# KiCad board FPGA_DevBoard.kicad_pcb (continued)
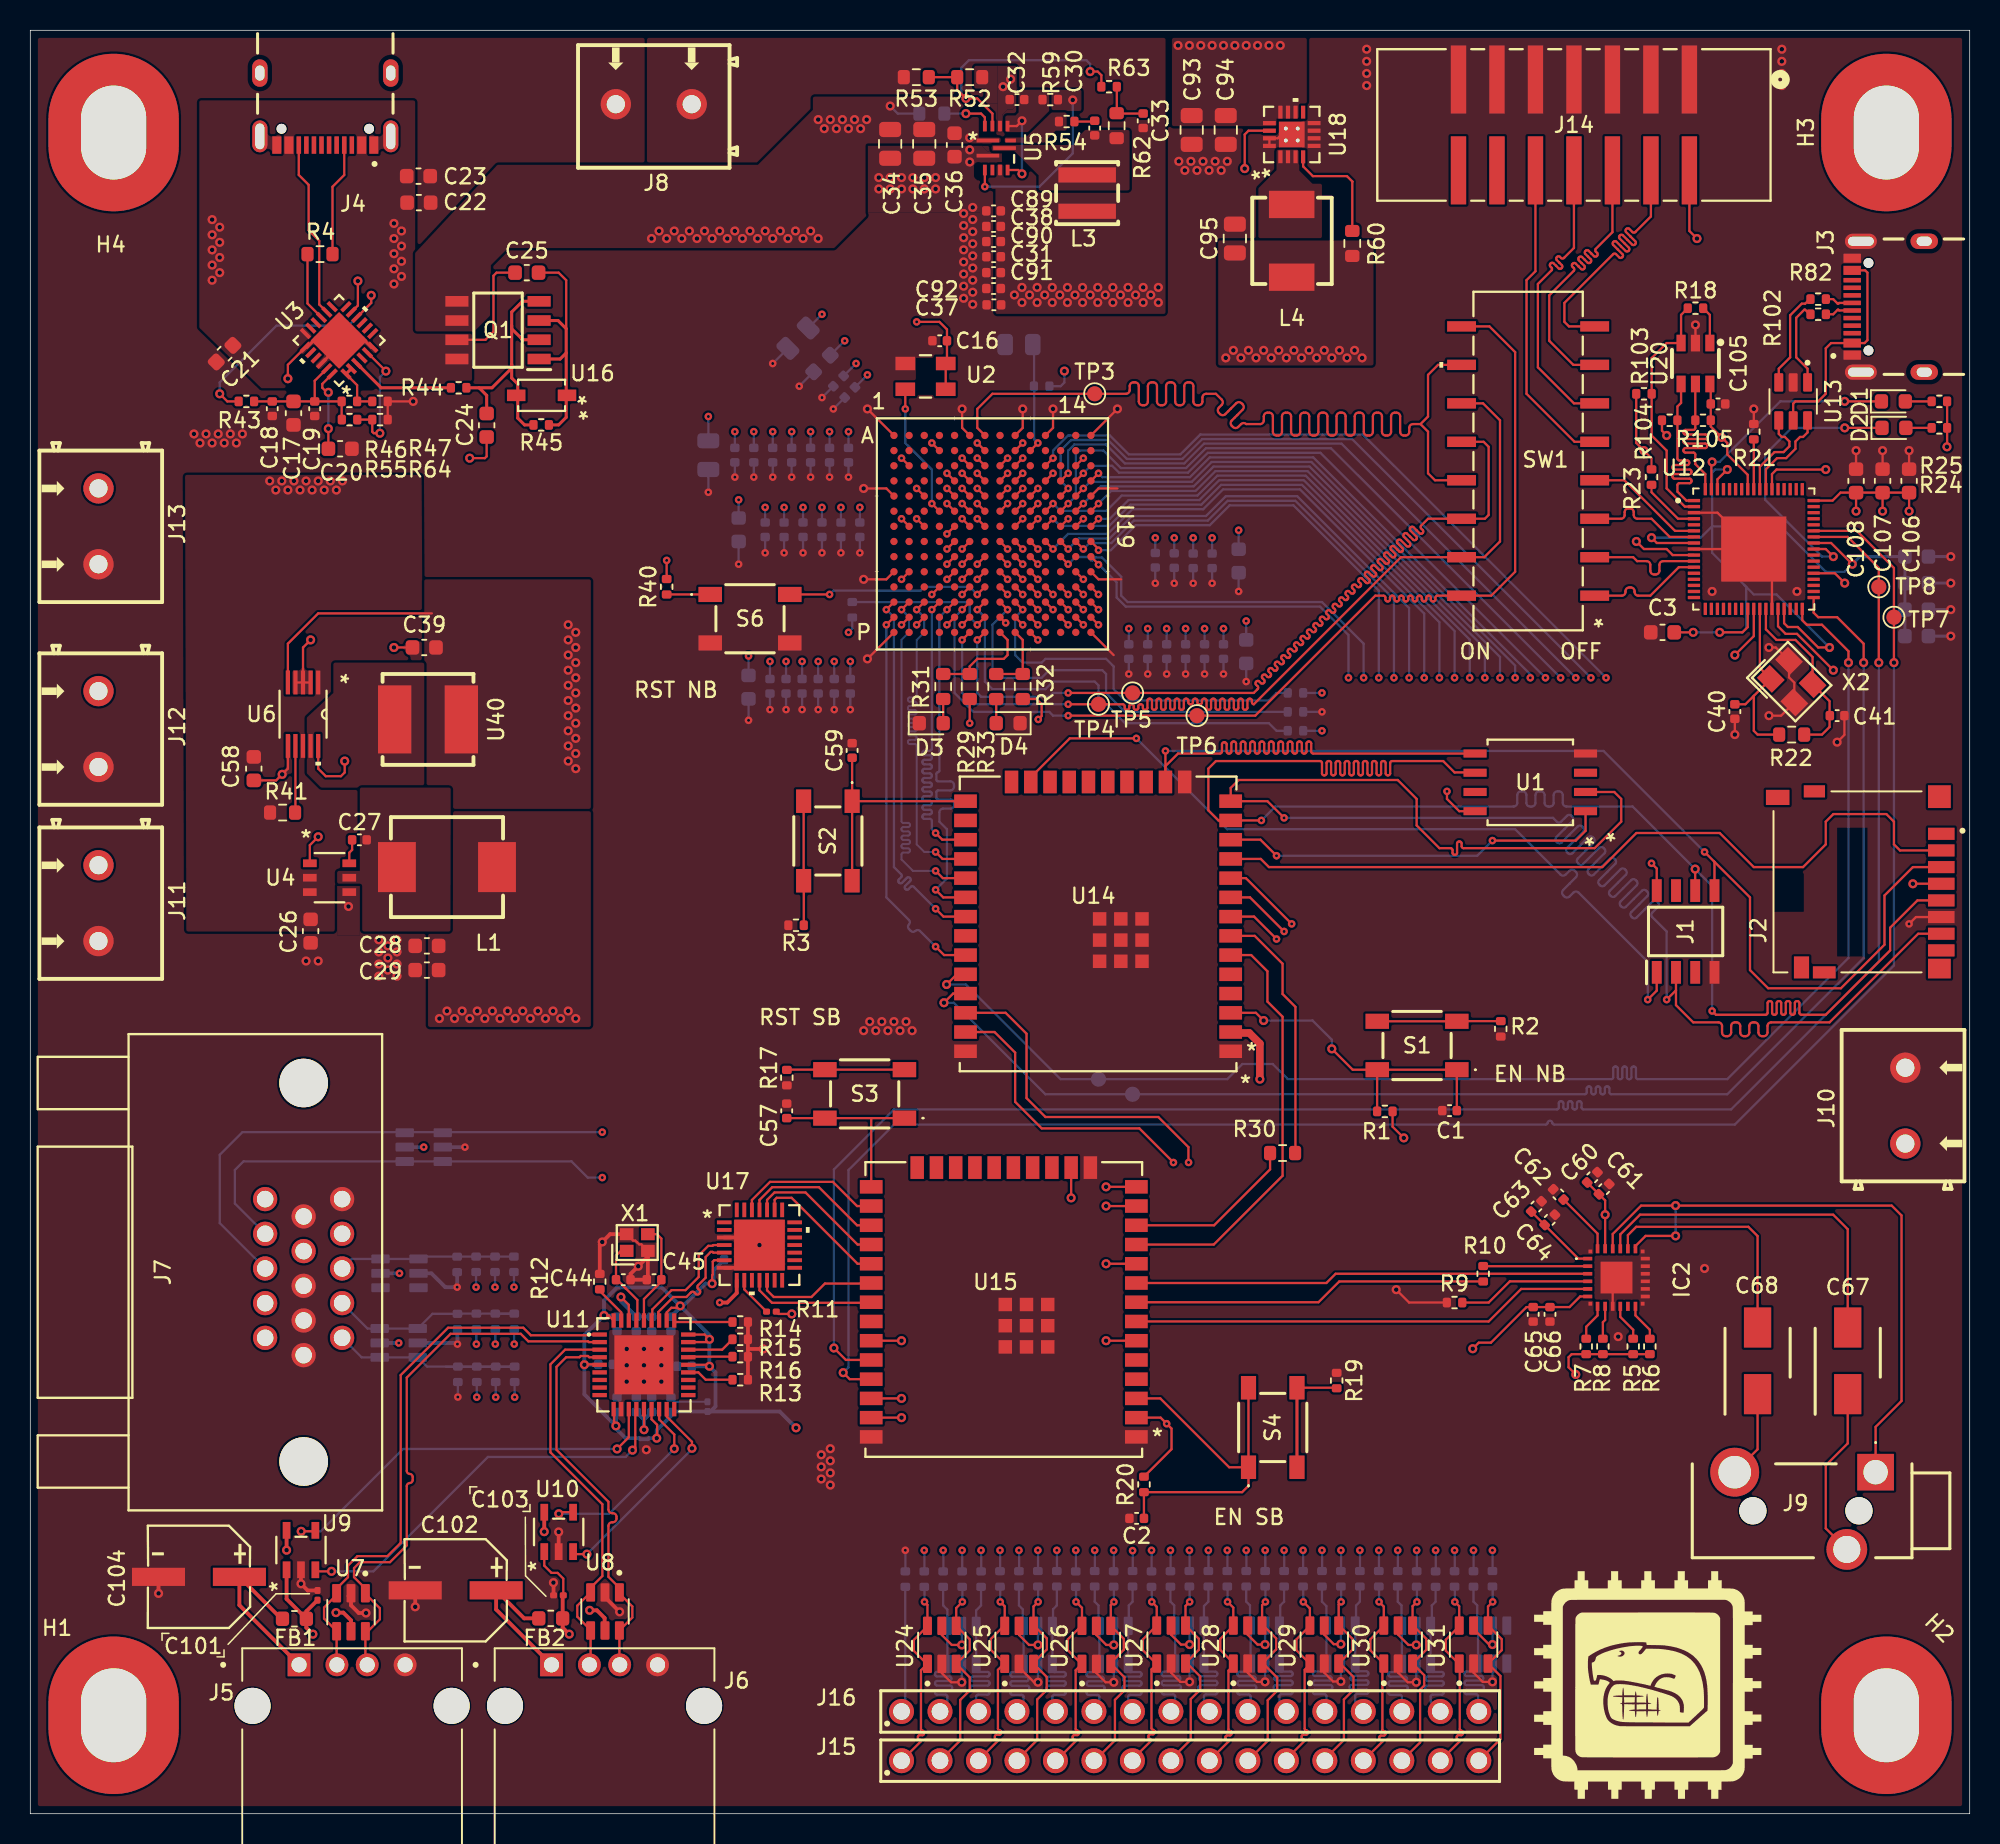
[diagram p0: board, top side]
## Library data of the parts
C1-C66 C69-C101 C103 C105-C112 = -: Description: Unpolarized capacitor; ki_fp_filters: C_*
C67 C68 = -: Datasheet: https://content.kemet.com/datasheets/KEM_A4001_EDK.pdf; Description: EDK, Aluminum, Aluminum Electrolytic, 4.7 uF, 20%, 16 VDC, -40/+85C, 85C, -40C, 85C, 2,000 Hrs, 16 % , 0.02, 3 uA, 2, 4, 4mm, 5.4mm, 2000; Height: 5.65; Mouser Part Number: 80-EDK475M016A9BAA; Mouser Price/Stock: https://www.mouser.co.uk/ProductDetail/KEMET/EDK475M016A9BAA?qs=E9QF1UCAUX56UXN1YiCZhQ%3D%3D; Manufacturer_Name: KEMET
C102 C104 = -: Datasheet: https://item.szlcsc.com/datasheet/RVT0J101M0605/89035.html; Description: Capacitance:100uF Tolerance:±20% Tolerance:±20% Voltage Rating:6.3V Ripple Current:- Equivalent Series Resistance(ESR):- Diameter:6.3mm Height - Seated (Max):5.4mm Lifetime:2000hrs@105°C Operating Temperature:-55°C~+105°C Operating Temperature:-55°C~+105°C; Manufacturer Part: RVT0J101M0605; Manufacturer: HONOR(荣誉); Supplier Part: C87857; Supplier: LCSC; LCSC Part Name: 100uF ±20% 6.3V
D1-D4 = -: Description: Light emitting diode; Sim.Pins: 1=K 2=A; ki_fp_filters: LED* LED_SMD:* LED_THT:*
FB1 FB2 = -: Description: Ferrite bead; ki_fp_filters: Inductor_* L_* *Ferrite*
H1-H4 = -: Description: Mounting Hole without connection; ki_fp_filters: MountingHole*
IC2 = -: Datasheet: https://www.ti.com/lit/ds/symlink/tad5242.pdf?ts=1736249226355&ref_url=https%253A%252F%252Fwww.ti.com%252Fproduct%252FTAD5242; Description: Audio D/A Converter ICs Hardware-control stereo audio DAC with 120dB dynamic range, and headphone and line driver; Height: 1; Mouser Part Number: 595-TAD5242IRGER; Mouser Price/Stock: https://www.mouser.co.uk/ProductDetail/Texas-Instruments/TAD5242IRGER?qs=%252BXxaIXUDbq07iiss%252B1zA7A%3D%3D; Manufacturer_Name: Texas Instruments
J1 = -: Datasheet: https://www.espressif.com/sites/default/files/documentation/esp-psram64_esp-psram64h_datasheet_en.pdf; Description: Adafruit Accessories Generic 64 Mbit Serial Pseudo SRAM - 3.3V 133 MHz; Height: 1.75; Mouser Part Number: 485-4677; Mouser Price/Stock: https://www.mouser.co.uk/ProductDetail/Adafruit/4677?qs=DPoM0jnrROUZDCYEDSsMew%3D%3D; Manufacturer_Name: Adafruit
J2 = -: PARTREV: 2017.1; MANUFACTURER: Hirose; MAXIMUM_PACKAGE_HEIGHT: 1.55mm; STANDARD: Manufacturer Recommendations
J3 J4 = -: PARTREV: B3; MANUFACTURER: Global Connector Technology; MAXIMUM_PACKAGE_HEIGHT: 3.31mm; STANDARD: Manufacturer Recommendations
J5 J6 = -: DigiKey_Part_Number: ED2989-ND; SnapEDA_Link: https://www.snapeda.com/parts/USB-A1HSW6/ON/view-part/?ref=snap; MAXIMUM_PACKAGE_HEIGHT: 7.1 mm; Package: None; Check_prices: https://www.snapeda.com/parts/USB-A1HSW6/ON/view-part/?ref=eda; STANDARD: Manufacturer Recommendations; PARTREV: A; MF: On Shore; Description_1: USB-A (USB TYPE-A) - Receptacle Connector 4 Position Through Hole, Right Angle; MANUFACTURER: On Shore
J7 = -: ki_fp_filters: CONN_L77HDE15SD1CH4F_AMP
J8 J10-J13 = -: Description: Generic screw terminal, single row, 01x02, script generated (kicad-library-utils/schlib/autogen/connector/); ki_fp_filters: TerminalBlock*:*
J9 = -: Datasheet: https://www.sameskydevices.com/product/resource/SJ3-35083A-TR.pdf; Description: SJ3-35083A-TR - 3.5 mm Stereo Jack, Through Hole, 3 Conductors, 0 Internal Switches,  Tape & Reel Packaging; Height: 5.3; Mouser Part Number: 179-SJ3-35083A-TR; Mouser Price/Stock: https://www.mouser.co.uk/ProductDetail/Same-Sky/SJ3-35083A-TR?qs=IKkN%2F947nfAXbylC140wLg%3D%3D; Manufacturer_Name: Same Sky
J14 = -: ki_fp_filters: CONN_AWHW 14G-SMD_ASM
L1 = -: Datasheet: https://item.szlcsc.com/datasheet/CKST0603-4.7uH%252FM/3488143.html; Description: Inductance:4.7uH Tolerance:±20% Tolerance:±20% Current Rating:5A Current - Saturation(Isat):6.5A DC Resistance(DCR):38mΩ Type:Molded Inductor; Manufacturer Part: CKST0603-4.7uH/M; Manufacturer: CENKER(岑科); Supplier Part: C3002636; Supplier: LCSC; LCSC Part Name: 4.7uH ±20% 6.5A
L3 = -: Datasheet: https://item.szlcsc.com/datasheet/MPL-AL4020-R68/8200647.html; Description: Inductance:680nH Current Rating:8.7A Current - Saturation(Isat):11A DC Resistance(DCR):; Manufacturer Part: MPL-AL4020-R68; Manufacturer: MPS(芯源); Supplier Part: C7231875; Supplier: LCSC; LCSC Part Name: 680nH 11A
L4 = -: Datasheet: https://item.szlcsc.com/datasheet/CYA0530-2.2UH/20560604.html; Description: Inductance:2.2uH Tolerance:±20% Tolerance:±20% Current Rating:5.5A DC Resistance(DCR):35mΩ; Manufacturer Part: CYA0530-2.2UH; Manufacturer: SHOU HAN(首韩); Supplier Part: C19274362; Supplier: LCSC; LCSC Part Name: 2.2uH ±20%
Q1 = -: Datasheet: https://www.infineon.com/dgdl/Infineon-IRF9358-DataSheet-v01_01-EN.pdf?fileId=5546d462533600a4015356114ffa1da5; Description: Infineon IRF9358TRPBF Dual P-channel MOSFET, 9.2 A, 30 V HEXFET, 8-Pin SOIC; Height: 1.75; Mouser Part Number: 942-IRF9358TRPBF; Mouser Price/Stock: https://www.mouser.co.uk/ProductDetail/Infineon-Technologies/IRF9358TRPBF?qs=9%252BKlkBgLFf0UOCipcM2zgA%3D%3D; Manufacturer_Name: Infineon
R1-R66 R70-R105 = -: Description: Resistor, US symbol; ki_fp_filters: R_*
S1-S4 S6 = -: Datasheet: https://www.ckswitches.com/media/2567/pts647.pdf; Description: Tactile Switch SPST-NO Top Actuated Surface Mount 0.05A 12V; Manufacturer_Name: C & K COMPONENTS; Manufacturer_Part_Number: PTS647SM38SMTR2 LFS
SW1 = -: ki_fp_filters: SO16_219-8_CTS SO16_219-8_CTS-M SO16_219-8_CTS-L
TP1-TP8 = -: Description: test point (alternative probe-style design); ki_fp_filters: Pin* Test*
U1 = -: ki_fp_filters: SOIC_208MIL_WIN SOIC_208MIL_WIN-M SOIC_208MIL_WIN-L
U2 = -: ki_fp_filters: CHIP_100.000MHZ-LC-T_ABR CHIP_100.000MHZ-LC-T_ABR-M CHIP_100.000MHZ-LC-T_ABR-L
U3 = -: Datasheet: https://www.infineon.com/dgdl/Infineon-EZ-PD_BCR_Datasheet_USB_Type-C_Port_Controller_for_Power_Sinks-DataSheet-v03_00-EN.pdf?fileId=8ac78c8c7d0d8da4017d0ee7ce9d70ad; ki_fp_filters: QFN24_CYPD3177-24LQXQT_INF QFN24_CYPD3177-24LQXQT_INF-M QFN24_CYPD3177-24LQXQT_INF-L
U4 = -: ki_fp_filters: SOIC_05WU-7_DIO SOIC_05WU-7_DIO-M SOIC_05WU-7_DIO-L
U5 = -: Datasheet: https://www.monolithicpower.com/en/documentview/productdocument/index/version/2/document_type/Datasheet/lang/en/sku/MP8756GD-Z; ki_fp_filters: QFN-12_MP8756_MNP
U6 = -: Datasheet: https://www.ti.com/lit/gpn/tps62054; ki_fp_filters: DGS10 DGS10-M DGS10-L
U7 U8 U13 U21-U39 = -: Description: 17V Clamp 5A (8/20µs) Ipp Tvs Diode Surface Mount SOT-23-6; DigiKey_Part_Number: 497-5235-1-ND; MF: STMicroelectronics; PURCHASE-URL: https://pricing.snapeda.com/search/part/USBLC6-2SC6/?ref=eda; PACKAGE: SOT-23-6 STMicroelectronics; PRICE: None; Package: SOT-23-6 STMicroelectronics; Check_prices: https://www.snapeda.com/parts/USBLC6-2SC6/STMicroelectronics/view-part/?ref=eda; SnapEDA_Link: https://www.snapeda.com/parts/USBLC6-2SC6/STMicroelectronics/view-part/?ref=snap; Description_1: 17V Clamp 5A (8/20µs) Ipp Tvs Diode Surface Mount SOT-23-6; AVAILABILITY: In Stock
U9 U10 = -: ki_fp_filters: TSOP-5_ONS TSOP-5_ONS-M TSOP-5_ONS-L
U11 = -: Datasheet: https://atta.szlcsc.com/upload/public/pdf/source/20180613/C220679_5406C825D415F058D3466663F78F68E9.pdf; Description: type:Hub Protocol:USB 2.0 Supply Voltage:3.3V Supply Voltage:3.3V Operating Temperature:0°C~+85°C Operating Temperature:0°C~+85°C; Manufacturer Part: USB2513B/M2; Manufacturer: MICROCHIP(美国微芯); Supplier Part: C633337; Supplier: LCSC; LCSC Part Name: USB2513B/M2
U12 = -: MAXIMUM_PACKAGE_HEIGHT: 0.90mm; CREATOR: AAMIR; STANDARD: IPC-7351B; PARTREV: 1.8; VERIFIER: NEZY; MANUFACTURER: FTDI
U14 U15 = -: ki_fp_filters: ESP32-WROOM-32UE_EXP
U16 = -: ki_fp_filters: SOD-123_ONS SOD-123_ONS-M SOD-123_ONS-L
U17 = -: ki_fp_filters: QFN28_5X5_SIL QFN28_5X5_SIL-M QFN28_5X5_SIL-L
U18 = -: Datasheet: https://www.ti.com/lit/gpn/tps62132; ki_fp_filters: RGT16_1P7X1P7
U19 = -: ki_fp_filters: FTGB196_XIL FTGB196_XIL-M FTGB196_XIL-L
U20 = -: Datasheet: https://atta.szlcsc.com/upload/public/pdf/source/20140724/1457707164359.pdf; Description: Interface Type:SPI Memory Size:2Kbit Supply Voltage:2.5V~5.5V Supply Voltage:2.5V~5.5V Write Cycle Time (Tw):6ms Data Retention - TDR (Year):200 years Write Cycle Endurance:1,000,000 Times Operating Temperature:-40°C~+85°C Operating Temperature:-40°C~+85°C; Manufacturer Part: 93LC56BT-I/OT; Manufacturer: MICROCHIP(美国微芯); Supplier Part: C190271; Supplier: LCSC; LCSC Part Name: 93LC56BT-I/OT
U40 = -: Datasheet: https://atta.szlcsc.com/upload/public/pdf/source/20240315/33573055495CB3FBA2E21081FDB8F338.pdf; Description: Inductance: Tolerance:- Tolerance:- Rated Current: Saturation Current (Isat):3.4A DC Resistance (DCR): Ratings:-; Manufacturer Part: MPL-SE6040-100; Manufacturer: MPS(芯源); Supplier Part: C17367499; Supplier: LCSC; LCSC Part Name: 10uH 3.4A
X1 = -: Datasheet: https://item.szlcsc.com/datasheet/XL7EL89CMI-111YLC-24M/3357717.html; Description: Type:Crystal Oscillator Frequency:24MHz Normal temperature Frequency Tolerance:±10ppm Normal temperature Frequency Tolerance:±10ppm Load Capacitance:10pF Frequency Stability:±20ppm Frequency Stability:±20ppm Equivalent Series Resistance(ESR):- Operating T; Manufacturer Part: XL7EL89CMI-111YLC-24M; Manufacturer: YXC(扬兴晶振); Supplier Part: C2965581; Supplier: LCSC; LCSC Part Name: YSX211SL 24MHZ 10PF ±10PPM -40~85°C
X2 = -: Datasheet: https://item.szlcsc.com/datasheet/X322512MMB4SI/51439.html; Description: Type:Crystal Oscillator Frequency:12MHz Normal temperature Frequency Tolerance:±10ppm Normal temperature Frequency Tolerance:±10ppm Load Capacitance:10pF Frequency Stability:±20ppm Frequency Stability:±20ppm Operating Temperature:-40°C~+85°C Operating Tempe; Manufacturer Part: X322512MMB4SI; Manufacturer: YXC(扬兴晶振); Supplier Part: C50430; Supplier: LCSC; LCSC Part Name: YSX321SL 12MHZ 4P 3225 10PF ±10PPM -40~85°C (±20PPM)

## Footprints (pads in the part's own frame, mm; a bottom-side part is the same pattern mirrored in y, then rotated)
219-8M
  rect 1.905x0.686 smd: 1(-4.394,8.89) 2(-4.394,6.35) 3(-4.394,3.81) 4(-4.394,1.27) 5(-4.394,-1.27) 6(-4.394,-3.81) 7(-4.394,-6.35) 8(-4.394,-8.89) 9(4.394,-8.89) 10(4.394,-6.35) 11(4.394,-3.81) 12(4.394,-1.27) 13(4.394,1.27) 14(4.394,3.81) 15(4.394,6.35) 16(4.394,8.89)
256_W25Q128JV
  rect 1.524x0.533 smd: 1(-3.645,1.905) 2(-3.645,0.635) 3(-3.645,-0.635) 4(-3.645,-1.905) 5(3.645,-1.905) 6(3.645,-0.635) 7(3.645,0.635) 8(3.645,1.905)
4677
  rect 1.5x0.65 smd: 1(-2.7,1.905) 2(-2.7,0.635) 3(-2.7,-0.635) 4(-2.7,-1.905) 5(2.7,-1.905) 6(2.7,-0.635) 7(2.7,0.635) 8(2.7,1.905)
61301611121
  round 1.65 hole 1.1: 1(-19.05,0) 2(-16.51,0) 3(-13.97,0) 4(-11.43,0) 5(-8.89,0) 6(-6.35,0) 7(-3.81,0) 8(-1.27,0) 9(1.27,0) 10(3.81,0) 11(6.35,0) 12(8.89,0) 13(11.43,0) 14(13.97,0) 15(16.51,0) 16(19.05,0)
AP63205WU-7
  rect 1.575x0.279 smd: 1(-2.095,1) 2(-2.095,0.5) 3(-2.095,0) 4(-2.095,-0.5) 5(-2.095,-1) 6(2.095,-1) 7(2.095,-0.5) 8(2.095,0) 9(2.095,0.5) 10(2.095,1)
C_0201_0603Metric
  rrect 0.318x0.36 smd: (-0.345,0) (0.345,0)
  rrect 0.46x0.4 smd: 1(-0.32,0) 2(0.32,0)
C_0402_1005Metric
  rrect 0.56x0.62 smd: 1(-0.48,0) 2(0.48,0)
C_0603_1608Metric
  rrect 0.9x0.95 smd: 1(-0.775,0) 2(0.775,0)
C_0805_2012Metric
  rrect 1x1.45 smd: 1(-0.95,0) 2(0.95,0)
CAP-SMD_BD6.3-L6.6-W6.6-FD
  rect 3.5x1.2 smd: 1(-2.67,0) 2(2.67,0)
CAPAE430X565N
  rect 2.65x1.8 smd: 1(-2.2,0) 2(2.2,0)
CHIP_100.000MHZ-LC-T_ABR
  rect 1.295x0.889 smd: 1(-1.333,-0.85) 2(1.333,-0.85) 3(1.333,0.85) 4(-1.333,0.85)
CONN-TH_2P-P5.00_CPC3703CTR
  round 2 hole 1.2: 1(-2.505,0) 2(2.505,0)
CONN_AWHW 14G-SMD_ASM
  rect 1.016x4.496 smd: 1(-7.62,-3) 2(-7.62,3) 3(-5.08,-3) 4(-5.08,3) 5(-2.54,-3) 6(-2.54,3) 7(0,-3) 8(0,3) 9(2.54,-3) 10(2.54,3) 11(5.08,-3) 12(5.08,3) 13(7.62,-3) 14(7.62,3)
CONN_L77HDE15SD1CH4F_AMP
  round 1.6 hole 1.092: 1(-4.33,-13.97) 2(-2.04,-13.97) 3(0.25,-13.97) 4(2.54,-13.97) 5(4.83,-13.97) 6(-5.475,-11.43) 7(-3.185,-11.43) 8(-0.895,-11.43) 9(1.395,-11.43) 10(3.685,-11.43) 11(-4.33,-8.89) 12(-2.04,-8.89) 13(0.25,-8.89) 14(2.54,-8.89) 15(4.83,-8.89)
  round 3.2 hole 3.2: None(-12.495,-11.43) None(12.495,-11.43)
CP2102_GMR_SIL
  rect 0.965x0.254 smd: 1(-2.324,1.5) 2(-2.324,1) 3(-2.324,0.5) 4(-2.324,0) 5(-2.324,-0.5) 6(-2.324,-1) 7(-2.324,-1.5) 15(2.324,-1.5) 16(2.324,-1) 17(2.324,-0.5) 18(2.324,0) 19(2.324,0.5) 20(2.324,1) 21(2.324,1.5)
  rect 0.254x0.965 smd: 8(-1.5,-2.324) 9(-1,-2.324) 10(-0.5,-2.324) 11(0,-2.324) 12(0.5,-2.324) 13(1,-2.324) 14(1.5,-2.324) 22(1.5,2.324) 23(1,2.324) 24(0.5,2.324) 25(0,2.324) 26(-0.5,2.324) 27(-1,2.324) 28(-1.5,2.324)
  rect 3.353x3.353 smd: 29(0,0)
CRYSTAL-SMD_4P-L2.0-W1.6-BL
  rect 0.9x0.8 smd: 1(-0.7,-0.55) 2(0.7,-0.55) 3(0.7,0.55) 4(-0.7,0.55)
CRYSTAL-SMD_4P-L3.2-W2.5-BL
  rect 1.4x1.2 smd: 1(-1.1,-0.85) 2(1.1,-0.85) 3(1.1,0.85) 4(-1.1,0.85)
CYPD3177-24LQXQT_INF
  rect 0.813x0.254 smd: 1(-1.892,1.25) 2(-1.892,0.75) 3(-1.892,0.25) 4(-1.892,-0.25) 5(-1.892,-0.75) 6(-1.892,-1.25) 13(1.892,-1.25) 14(1.892,-0.75) 15(1.892,-0.25) 16(1.892,0.25) 17(1.892,0.75) 18(1.892,1.25)
  rect 0.254x0.813 smd: 7(-1.25,-1.892) 8(-0.75,-1.892) 9(-0.25,-1.892) 10(0.25,-1.892) 11(0.75,-1.892) 12(1.25,-1.892) 19(1.25,1.892) 20(0.75,1.892) 21(0.25,1.892) 22(-0.25,1.892) 23(-0.75,1.892) 24(-1.25,1.892)
  rect 2.642x2.642 smd: 25(0,0)
D_0603_1608Metric
  rrect 0.875x0.95 smd: 1(-0.787,0) 2(0.787,0)
DM3D-SF
  rect 0.8x1.75 smd: 1(3.2,0) 2(2.1,0) 3(1,0) 4(-0.1,0) 5(-1.2,0) 6(-2.3,0) 7(-3.4,0) 8(-4.5,0)
  rect 1.3x1.5 smd: S1(-5.7,0.125)
  rect 1.5x1.5 smd: S2(5.65,0.125)
  rect 0.8x1.5 smd: S3(-5.95,7.725)
  rect 0.8x1.4 smd: S4(6,8.375)
  rect 1x1.55 smd: SW-A(5.6,10.8)
  rect 1.45x1 smd: SW-B(-5.625,9.225)
ESP32-WROOM-32UE_EXP
  rect 1.499x0.889 smd: 1(-8.75,8.41) 2(-8.75,7.14) 3(-8.75,5.87) 4(-8.75,4.6) 5(-8.75,3.33) 6(-8.75,2.06) 7(-8.75,0.79) 8(-8.75,-0.48) 9(-8.75,-1.75) 10(-8.75,-3.02) 11(-8.75,-4.29) 12(-8.75,-5.56) 13(-8.75,-6.83) 14(-8.75,-8.1) 25(8.75,-8.1) 26(8.75,-6.83) 27(8.75,-5.56) 28(8.75,-4.29) 29(8.75,-3.02) 30(8.75,-1.75) 31(8.75,-0.48) 32(8.75,0.79) 33(8.75,2.06) 34(8.75,3.33) 35(8.75,4.6) 36(8.75,5.87) 37(8.75,7.14) 38(8.75,8.41)
  rect 0.889x1.499 smd: 15(-5.715,-9.37) 16(-4.445,-9.37) 17(-3.175,-9.37) 18(-1.905,-9.37) 19(-0.635,-9.37) 20(0.635,-9.37) 21(1.905,-9.37) 22(3.175,-9.37) 23(4.445,-9.37) 24(5.715,-9.37)
  rect 0.889x0.889 smd: 39(-1.5,1.07) 40(-2.9,2.47) 41(-2.9,1.07) 42(-2.9,-0.33) 43(-1.5,-0.33) 44(-0.1,-0.33) 45(-0.1,1.07) 46(-0.1,2.47) 47(-1.5,2.47)
FT4232HPQ
  rrect 0.81x0.22 smd: 1(-3.95,3.2) 2(-3.95,2.8) 3(-3.95,2.4) 4(-3.95,2) 5(-3.95,1.6) 6(-3.95,1.2) 7(-3.95,0.8) 8(-3.95,0.4) 9(-3.95,0) 10(-3.95,-0.4) 11(-3.95,-0.8) 12(-3.95,-1.2) 13(-3.95,-1.6) 14(-3.95,-2) 15(-3.95,-2.4) 16(-3.95,-2.8) 17(-3.95,-3.2) 35(3.95,-3.2) 36(3.95,-2.8) 37(3.95,-2.4) 38(3.95,-2) 39(3.95,-1.6) 40(3.95,-1.2) 41(3.95,-0.8) 42(3.95,-0.4) 43(3.95,0) 44(3.95,0.4) 45(3.95,0.8) 46(3.95,1.2) 47(3.95,1.6) 48(3.95,2) 49(3.95,2.4) 50(3.95,2.8) 51(3.95,3.2)
  rrect 0.22x0.81 smd: 18(-3.2,-3.95) 19(-2.8,-3.95) 20(-2.4,-3.95) 21(-2,-3.95) 22(-1.6,-3.95) 23(-1.2,-3.95) 24(-0.8,-3.95) 25(-0.4,-3.95) 26(0,-3.95) 27(0.4,-3.95) 28(0.8,-3.95) 29(1.2,-3.95) 30(1.6,-3.95) 31(2,-3.95) 32(2.4,-3.95) 33(2.8,-3.95) 34(3.2,-3.95) 52(3.2,3.95) 53(2.8,3.95) 54(2.4,3.95) 55(2,3.95) 56(1.6,3.95) 57(1.2,3.95) 58(0.8,3.95) 59(0.4,3.95) 60(0,3.95) 61(-0.4,3.95) 62(-0.8,3.95) 63(-1.2,3.95) 64(-1.6,3.95) 65(-2,3.95) 66(-2.4,3.95) 67(-2.8,3.95) 68(-3.2,3.95)
  rect 4.3x4.3 smd: 69(0,0)
FTGB196_XIL
  round 0.483 smd: A1(-6.5,6.5) A2(-5.5,6.5) A3(-4.5,6.5) A4(-3.5,6.5) A5(-2.5,6.5) A6(-1.5,6.5) A7(-0.5,6.5) A8(0.5,6.5) A9(1.5,6.5) A10(2.5,6.5) A11(3.5,6.5) A12(4.5,6.5) A13(5.5,6.5) A14(6.5,6.5) B1(-6.5,5.5) B2(-5.5,5.5) B3(-4.5,5.5) B4(-3.5,5.5) B5(-2.5,5.5) B6(-1.5,5.5) B7(-0.5,5.5) B8(0.5,5.5) B9(1.5,5.5) B10(2.5,5.5) B11(3.5,5.5) B12(4.5,5.5) B13(5.5,5.5) B14(6.5,5.5) C1(-6.5,4.5) C2(-5.5,4.5) C3(-4.5,4.5) C4(-3.5,4.5) C5(-2.5,4.5) C6(-1.5,4.5) C7(-0.5,4.5) C8(0.5,4.5) C9(1.5,4.5) C10(2.5,4.5) C11(3.5,4.5) C12(4.5,4.5) C13(5.5,4.5) C14(6.5,4.5) D1(-6.5,3.5) D2(-5.5,3.5) D3(-4.5,3.5) D4(-3.5,3.5) D5(-2.5,3.5) D6(-1.5,3.5) D7(-0.5,3.5) D8(0.5,3.5) D9(1.5,3.5) D10(2.5,3.5) D11(3.5,3.5) D12(4.5,3.5) D13(5.5,3.5) D14(6.5,3.5) E1(-6.5,2.5) E2(-5.5,2.5) E3(-4.5,2.5) E4(-3.5,2.5) E5(-2.5,2.5) E6(-1.5,2.5) E7(-0.5,2.5) E8(0.5,2.5) E9(1.5,2.5) E10(2.5,2.5) E11(3.5,2.5) E12(4.5,2.5) E13(5.5,2.5) E14(6.5,2.5) F1(-6.5,1.5) F2(-5.5,1.5) F3(-4.5,1.5) F4(-3.5,1.5) F5(-2.5,1.5) F6(-1.5,1.5) F7(-0.5,1.5) F8(0.5,1.5) F9(1.5,1.5) F10(2.5,1.5) F11(3.5,1.5) F12(4.5,1.5) F13(5.5,1.5) F14(6.5,1.5) G1(-6.5,0.5) G2(-5.5,0.5) G3(-4.5,0.5) G4(-3.5,0.5) G5(-2.5,0.5) G6(-1.5,0.5) G7(-0.5,0.5) G8(0.5,0.5) G9(1.5,0.5) G10(2.5,0.5) G11(3.5,0.5) G12(4.5,0.5) G13(5.5,0.5) G14(6.5,0.5) H1(-6.5,-0.5) H2(-5.5,-0.5) H3(-4.5,-0.5) H4(-3.5,-0.5) H5(-2.5,-0.5) H6(-1.5,-0.5) H7(-0.5,-0.5) H8(0.5,-0.5) H9(1.5,-0.5) H10(2.5,-0.5) H11(3.5,-0.5) H12(4.5,-0.5) H13(5.5,-0.5) H14(6.5,-0.5) J1(-6.5,-1.5) J2(-5.5,-1.5) J3(-4.5,-1.5) J4(-3.5,-1.5) J5(-2.5,-1.5) J6(-1.5,-1.5) J7(-0.5,-1.5) J8(0.5,-1.5) J9(1.5,-1.5) J10(2.5,-1.5) J11(3.5,-1.5) J12(4.5,-1.5) J13(5.5,-1.5) J14(6.5,-1.5) K1(-6.5,-2.5) K2(-5.5,-2.5) K3(-4.5,-2.5) K4(-3.5,-2.5) K5(-2.5,-2.5) K6(-1.5,-2.5) K7(-0.5,-2.5) K8(0.5,-2.5) K9(1.5,-2.5) K10(2.5,-2.5) K11(3.5,-2.5) K12(4.5,-2.5) K13(5.5,-2.5) K14(6.5,-2.5) L1(-6.5,-3.5) L2(-5.5,-3.5) L3(-4.5,-3.5) L4(-3.5,-3.5) L5(-2.5,-3.5) L6(-1.5,-3.5) L7(-0.5,-3.5) L8(0.5,-3.5) L9(1.5,-3.5) L10(2.5,-3.5) L11(3.5,-3.5) L12(4.5,-3.5) L13(5.5,-3.5) L14(6.5,-3.5) M1(-6.5,-4.5) M2(-5.5,-4.5) M3(-4.5,-4.5) M4(-3.5,-4.5) M5(-2.5,-4.5) M6(-1.5,-4.5) M7(-0.5,-4.5) M8(0.5,-4.5) M9(1.5,-4.5) M10(2.5,-4.5) M11(3.5,-4.5) M12(4.5,-4.5) M13(5.5,-4.5) M14(6.5,-4.5) N1(-6.5,-5.5) N2(-5.5,-5.5) N3(-4.5,-5.5) N4(-3.5,-5.5) N5(-2.5,-5.5) N6(-1.5,-5.5) N7(-0.5,-5.5) N8(0.5,-5.5) N9(1.5,-5.5) N10(2.5,-5.5) N11(3.5,-5.5) N12(4.5,-5.5) N13(5.5,-5.5) N14(6.5,-5.5) P1(-6.5,-6.5) P2(-5.5,-6.5) P3(-4.5,-6.5) P4(-3.5,-6.5) P5(-2.5,-6.5) P6(-1.5,-6.5) P7(-0.5,-6.5) P8(0.5,-6.5) P9(1.5,-6.5) P10(2.5,-6.5) P11(3.5,-6.5) P12(4.5,-6.5) P13(5.5,-6.5) P14(6.5,-6.5)
IND-SMD_L5.7-W5.2_CYA0530
  rect 1.8x3 smd: 1(-2.4,0) 2(2.4,0)
IND-SMD_L6.0-W6.0_MPL-SE6040
  rect 2.2x4.5 smd: 1(-2.2,0) 2(2.2,0)
IND-SMD_L7.4-W6.6
  rect 2.5x3.3 smd: 1(-3.302,0) 2(3.302,0)
IND-SMD_MPL-AL4020-R68
  rect 1x3.8 smd: 1(-1.2,0) 2(1.2,0)
IRF9358TRPBF
  rect 1.525x0.7 smd: 1(-2.712,1.905) 2(-2.712,0.635) 3(-2.712,-0.635) 4(-2.712,-1.905) 5(2.712,-1.905) 6(2.712,-0.635) 7(2.712,0.635) 8(2.712,1.905)
L_0603_1608Metric
  rrect 0.875x0.95 smd: 1(-0.787,0) 2(0.787,0)
LED_0603_1608Metric
  rrect 0.875x0.95 smd: 1(-0.788,0) 2(0.788,0)
MMSZ10T1G
  rect 1.219x0.762 smd: 1(-1.676,0) 2(1.676,0)
MountingHole_4.3x6.2mm_M4_Pad
  oval 10.4x8.6 hole 6.2x4.3: 1(0,0)
MP8756
  rect 1.5x0.25 smd: 1(-0.55,0.5) 2(-0.55,-0.5) 7(0.55,0)
  rect 0.25x0.7 smd: 3(-0.75,-1.45) 4(-0.25,-1.45) 5(0.25,-1.45) 6(0.75,-1.45) 9(0.75,1.45) 10(0.25,1.45) 11(-0.25,1.45) 12(-0.75,1.45)
  rect 0.7x0.25 smd: 8(0.95,0.5)
OST_USB-A1HSW6
  round 2.38 hole 2.38 unplated: (-6.57,0) (6.57,0)
  rect 1.508x1.508 hole 1: 1(-3.5,2.71)
  round 1.508 hole 1: 2(-1,2.71) 3(1,2.71) 4(3.5,2.71)
PTS647SM38SMTR2LFS
  rect 1.55x1 smd: 1(-2.625,1.6) 2(2.625,1.6) 3(-2.625,-1.6) 4(2.625,-1.6)
R_0201_0603Metric
  rrect 0.318x0.36 smd: (-0.345,0) (0.345,0)
  rrect 0.46x0.4 smd: 1(-0.32,0) 2(0.32,0)
R_0402_1005Metric
  rrect 0.54x0.64 smd: 1(-0.51,0) 2(0.51,0)
R_0603_1608Metric
  rrect 0.8x0.95 smd: 1(-0.825,0) 2(0.825,0)
R_0805_2012Metric
  rrect 1.025x1.4 smd: 1(-0.912,0) 2(0.912,0)
SJ335083ATR
  round 1.8 hole 1.8 unplated: (1.1,2.55) (8.1,2.55)
  rect 2.415x2.415 hole 1.61: 1(0,0)
  round 3.225 hole 2.15: 2(9.3,0)
  round 2.685 hole 1.79: 5(1.9,5.1)
SOT95P280X145-6N
  rrect 1.21x0.59 smd: 1(-1.255,0.95) 2(-1.255,0) 3(-1.255,-0.95) 4(1.255,-0.95) 5(1.255,0) 6(1.255,0.95)
SOT-23-6_L2.9-W1.6-P0.95-LS2.8-BR
  rect 1.1x0.6 smd: 1(1.35,-0.95) 2(1.35,0) 3(1.35,0.95) 4(-1.35,0.95) 5(-1.35,0) 6(-1.35,-0.95)
TAD5242IRGER
  rect 0.6x0.24 smd: 1(-1.9,1.25) 2(-1.9,0.75) 3(-1.9,0.25) 4(-1.9,-0.25) 5(-1.9,-0.75) 6(-1.9,-1.25) 13(1.9,-1.25) 14(1.9,-0.75) 15(1.9,-0.25) 16(1.9,0.25) 17(1.9,0.75) 18(1.9,1.25)
  rect 0.24x0.6 smd: 7(-1.25,-1.9) 8(-0.75,-1.9) 9(-0.25,-1.9) 10(0.25,-1.9) 11(0.75,-1.9) 12(1.25,-1.9) 19(1.25,1.9) 20(0.75,1.9) 21(0.25,1.9) 22(-0.25,1.9) 23(-0.75,1.9) 24(-1.25,1.9)
  rect 2.1x2.1 smd: 25(0,0)
  rect 0.25x0.25 smd: A1(-1.725,1.725) A2(-1.725,-1.725) A3(1.725,-1.725) A4(1.725,1.725)
TestPoint_Pad_D1.0mm
  round 1 smd: 1(0,0)
TPS62054DGS
  rect 0.902x0.508 smd: 1(-1.302,0.95) 2(-1.302,0) 3(-1.302,-0.95) 4(1.302,-0.95) 5(1.302,0) 6(1.302,0.95)
TPS62132RGTR
  rect 0.85x0.28 smd: 1(-1.475,0.75) 2(-1.475,0.25) 3(-1.475,-0.25) 4(-1.475,-0.75) 9(1.475,-0.75) 10(1.475,-0.25) 11(1.475,0.25) 12(1.475,0.75)
  rect 0.28x0.85 smd: 5(-0.75,-1.475) 6(-0.25,-1.475) 7(0.25,-1.475) 8(0.75,-1.475) 13(0.75,1.475) 14(0.25,1.475) 15(-0.25,1.475) 16(-0.75,1.475)
  rect 1.7x1.7 smd: 17(0,0)
  round 0.508 hole 0.254: V(-0.394,0.394) V(-0.394,-0.394) V(0.394,0.394) V(0.394,-0.394)
TSOP-5_ONS
  rect 1.105x0.508 smd: 1(-1.302,0.95) 2(-1.302,0) 3(-1.302,-0.95) 4(1.302,-0.95) 5(1.302,0.95)
USB2513BM2
  rect 0.28x0.95 smd: 1(-2,-2.925) 2(-1.5,-2.925) 3(-1,-2.925) 4(-0.5,-2.925) 5(0,-2.925) 6(0.5,-2.925) 7(1,-2.925) 8(1.5,-2.925) 9(2,-2.925) 19(2,2.925) 20(1.5,2.925) 21(1,2.925) 22(0.5,2.925) 23(0,2.925) 24(-0.5,2.925) 25(-1,2.925) 26(-1.5,2.925) 27(-2,2.925)
  rect 0.95x0.28 smd: 10(2.925,-2) 11(2.925,-1.5) 12(2.925,-1) 13(2.925,-0.5) 14(2.925,0) 15(2.925,0.5) 16(2.925,1) 17(2.925,1.5) 18(2.925,2) 28(-2.925,2) 29(-2.925,1.5) 30(-2.925,1) 31(-2.925,0.5) 32(-2.925,0) 33(-2.925,-0.5) 34(-2.925,-1) 35(-2.925,-1.5) 36(-2.925,-2)
  rect 3.9x3.9 smd: 37(0,0)
USB4105-GF-A-060
  round 0.65 hole 0.65 unplated: (-2.89,3.68) (2.89,3.68)
  rect 0.6x1.15 smd: A1_B12(-3.2,4.755) A4_B9(-2.4,4.755) B1_A12(3.2,4.755) B4_A9(2.4,4.755)
  rect 0.3x1.15 smd: A5(-1.25,4.755) A6(-0.25,4.755) A7(0.25,4.755) A8(1.25,4.755) B5(1.75,4.755) B6(0.75,4.755) B7(-0.75,4.755) B8(-1.75,4.755)
  oval 1x2.1 hole 0.6x1.7: SH1(-4.32,4.18) SH2(4.32,4.18)
  custom 1.01x1.81 hole 0.6x1.4: SH3(-4.32,0) SH4(4.32,0)

## Nets
9V0: C24.1 C26.1 C34.1 C35.1 C36.1 C58.1 C93.1 C94.1 J13.1 Q1.5 Q1.6 R41.1 R51.2 U3.11 U4.2 U4.3 U5.1 U6.1 U6.8 U18.10 U18.11 U18.12 U18.13
+1V0: C4.1 C5.1 C6.1 C7.1 C8.1 C9.1 C10.1 C11.1 C31.1 C33.1 C37.1 C38.1 C89.1 C90.2 C91.2 C92.2 C97.1 C98.1 C99.1 C100.1 J8.1 L3.2 R53.2 U5.5 U19.D6 U19.D8 U19.E5 U19.E7 U19.E9 U19.F6 U19.G5 U19.G9 U19.H6 U19.J5 U19.J9 U19.K6 U19.K8
+1V8: C12.1 C13.1 C14.1 C15.1 C39.1 C96.1 J12.1 U6.5 U19.F8 U19.F10 U19.H10 U19.K10 U19.L9 U40.2
+3V3: C16.1 C42.1 C43.1 C46.1 C47.1 C48.1 C49.1 C51.1 C53.1 C55.1 C60.1 C61.1 C65.1 C66.1 C69.1 C70.1 C71.1 C72.1 C73.1 C74.1 C75.1 C76.1 C77.1 C78.1 C79.1 C80.1 C81.1 C82.1 C83.1 C84.1 C85.1 C86.1 C87.1 C88.1 C95.1 C105.1 C106.1 C107.1 C108.1 IC2.6 IC2.23 J1.8 J2.4 J10.1 J14.2 L4.1 R1.1 R5.1 R6.1 R7.1 R8.1 R11.2 R20.1 R23.2 R24.1 R25.1 R26.1 R29.1 R32.1 R34.2 R38.2 R39.2 R40.1 R60.1 R103.1 R104.1 R105.1 U1.8 U2.1 U2.4 U11.5 U11.10 U11.15 U11.23 U11.26 U11.27 U11.29 U11.36 U12.10 U12.26 U12.30 U12.39 U12.51 U12.57 U12.61 U14.2 U15.2 U17.6 U18.14 U19.G2 U19.G13 U19.K2 U19.K13 U19.N2 U19.N6 U19.N8 U19.N13 U20.6 U21.5 U22.5 U23.5 U24.5 U25.5 U26.5 U27.5 U28.5 U29.5 U30.5 U31.5 U32.5 U33.5 U34.5 U35.5 U36.5 U37.5 U38.5 U39.5
+5V: C28.1 C29.1 J11.1 L1.1 U4.1 U9.5 U10.5 U17.8
/Power/1V8Sync: R41.2 U6.7
/Power/3V3CYPD: C17.1 C18.1 C19.1 R43.1 R46.1 R55.1 U3.23
/Power/VBUS_IN: C21.1 C22.1 C23.1 C25.1 J4.A4_B9 J4.B4_A9 Q1.7 Q1.8 U3.18
/USB_HUB/VBUS1: C101.1 FB1.1 U7.5 U9.1
/USB_HUB/VBUS1_FILT: C104.1 FB1.2 J5.1
/USB_HUB/VBUS2: C103.1 FB2.1 U8.5 U10.1
/USB_HUB/VBUS2_FILT: C102.1 FB2.2 J6.1
/USB_IN/VBUS: J3.A4_B9 J3.B4_A9 U13.5
GND: C1.2 C2.2 C3.2 C4.2 C5.2 C6.2 C7.2 C8.2 C9.2 C10.2 C11.2 C12.2 C13.2 C14.2 C15.2 C16.2 C17.2 C18.2 C19.2 C20.2 C21.2 C22.2 C23.2 C26.2 C28.2 C29.2 C31.2 C32.2 C34.2 C35.2 C36.2 C37.2 C38.2 C39.2 C40.1 C41.2 C42.2 C43.2 C44.1 C45.2 C46.2 C47.2 C48.2 C49.2 C50.2 C51.2 C52.2 C53.2 C54.2 C55.2 C56.2 C57.2 C58.2 C59.2 C60.2 C61.2 C62.2 C63.2 C64.2 C65.2 C66.2 C69.2 C70.2 C71.2 C72.2 C73.2 C74.2 C75.2 C76.2 C77.2 C78.2 C79.2 C80.2 C81.2 C82.2 C83.2 C84.2 C85.2 C86.2 C87.2 C88.2 C89.2 C90.1 C91.1 C92.1 C93.2 C94.2 C95.2 C96.2 C97.2 C98.2 C99.2 C100.2 C101.2 C102.2 C103.2 C104.2 C105.2 C106.2 C107.2 C108.2 C109.2 C110.2 C111.2 C112.2 D3.1 D4.1 IC2.9 IC2.13 IC2.14 IC2.15 IC2.16 IC2.17 IC2.18 IC2.25 IC2.A1 IC2.A2 IC2.A3 IC2.A4 J1.4 J2.6 J3.A1_B12 J3.B1_A12 J3.SH1 J3.SH2 J3.SH3 J3.SH4 J4.A1_B12 J4.B1_A12 J4.SH1 J4.SH2 J4.SH3 J4.SH4 J5.4 J6.4 J7.5 J7.6 J7.7 J7.8 J7.10 J8.2 J10.2 J11.2 J12.2 J13.2 J14.1 J14.3 J14.5 J14.7 J14.9 J14.11 J14.13 R2.1 R3.2 R9.1 R12.2 R13.2 R14.2 R15.2 R16.2 R17.1 R19.1 R21.2 R27.2 R37.2 R47.2 R52.1 R56.2 R64.2 R65.2 R66.2 R86.1 S6.3 S6.4 U1.4 U2.2 U3.6 U3.19 U3.22 U3.25 U4.4 U5.2 U5.10 U6.2 U6.3 U6.4 U6.6 U6.10 U7.2 U8.2 U9.2 U10.2 U11.11 U11.37 U12.3 U12.9 U12.29 U12.69 U13.2 U14.1 U14.15 U14.38 U14.39 U14.40 U14.41 U14.42 U14.43 U14.44 U14.45 U14.46 U14.47 U15.1 U15.15 U15.38 U15.39 U15.40 U15.41 U15.42 U15.43 U15.44 U15.45 U15.46 U15.47 U17.3 U17.7 U17.29 U18.5 U18.6 U18.7 U18.8 U18.15 U18.16 U18.17 U19.A1 U19.A6 U19.A9 U19.A11 U19.A14 U19.B4 U19.B7 U19.B9 U19.C2 U19.C6 U19.C7 U19.C8 U19.C9 U19.C13 U19.D5 U19.D7 U19.D9 U19.D11 U19.E1 U19.E3 U19.E6 U19.E8 U19.E10 U19.E14 U19.F5 U19.F7 U19.F9 U19.G3 U19.G6 U19.G7 U19.G10 U19.G12 U19.H5 U19.H8 U19.H9 U19.J6 U19.J7 U19.J8 U19.J10 U19.K1 U19.K5 U19.K7 U19.K9 U19.K14 U19.L4 U19.L6 U19.L8 U19.L10 U19.L11 U19.N3 U19.N5 U19.N9 U19.N12 U19.P1 U19.P14 U20.2 U21.2 U22.2 U23.2 U24.2 U25.2 U26.2 U27.2 U28.2 U29.2 U30.2 U31.2 U32.2 U33.2 U34.2 U35.2 U36.2 U37.2 U38.2 U39.2 X1.2 X1.4 X2.2 X2.4
/FPGA_UNIT_A/UCLK: U2.3 U19.F4
/FPGA_UNIT_B/Blue: J7.3 R27.1 R28.2 R35.2 R36.2 U38.1 U38.6
/FPGA_UNIT_B/GPIO_7: R77.1 U19.J12
/FPGA_UNIT_B/GPIO_8: R78.1 U19.H13
/FPGA_UNIT_B/GPIO_9: R79.1 U19.H11
/FPGA_UNIT_B/GPIO_10: R80.1 U19.G14
/FPGA_UNIT_B/GPIO_11: R81.1 U19.F14
/FPGA_UNIT_B/GPIO_12: R42.1 U19.E13
/FPGA_UNIT_B/GPIO_13: R83.1 U19.D13
/FPGA_UNIT_B/GPIO_14: R84.1 U19.D12
/FPGA_UNIT_B/GPIO_15: R85.1 U19.C11
/FPGA_UNIT_B/GPIO_23: R93.1 U19.J14
/FPGA_UNIT_B/GPIO_24: R94.1 U19.H14
/FPGA_UNIT_B/GPIO_25: R95.1 U19.H12
/FPGA_UNIT_B/GPIO_26: R96.1 U19.G11
/FPGA_UNIT_B/GPIO_27: R97.1 U19.F11
/FPGA_UNIT_B/GPIO_28: R98.1 U19.F13
/FPGA_UNIT_B/GPIO_29: R99.1 U19.D14
/FPGA_UNIT_B/GPIO_30: R100.1 U19.F12
/FPGA_UNIT_B/GPIO_31: R101.1 U19.E12
/FPGA_UNIT_B/GPIO_OUT_0: J15.1 R70.2 U24.1 U24.6
/FPGA_UNIT_B/GPIO_OUT_1: J15.2 R71.2 U24.3 U24.4
/FPGA_UNIT_B/GPIO_OUT_2: J15.3 R72.2 U25.1 U25.6
/FPGA_UNIT_B/GPIO_OUT_3: J15.4 R73.2 U25.3 U25.4
/FPGA_UNIT_B/GPIO_OUT_4: J15.5 R74.2 U26.1 U26.6
/FPGA_UNIT_B/GPIO_OUT_5: J15.6 R75.2 U26.3 U26.4
/FPGA_UNIT_B/GPIO_OUT_6: J15.7 R76.2 U27.1 U27.6
/FPGA_UNIT_B/GPIO_OUT_7: J15.8 R77.2 U27.3 U27.4
/FPGA_UNIT_B/GPIO_OUT_8: J15.9 R78.2 U28.1 U28.6
/FPGA_UNIT_B/GPIO_OUT_9: J15.10 R79.2 U28.3 U28.4
/FPGA_UNIT_B/GPIO_OUT_10: J15.11 R80.2 U29.1 U29.6
/FPGA_UNIT_B/GPIO_OUT_11: J15.12 R81.2 U29.3 U29.4
/FPGA_UNIT_B/GPIO_OUT_12: J15.13 R42.2 U30.1 U30.6
/FPGA_UNIT_B/GPIO_OUT_13: J15.14 R83.2 U30.3 U30.4
/FPGA_UNIT_B/GPIO_OUT_14: J15.15 R84.2 U31.1 U31.6
/FPGA_UNIT_B/GPIO_OUT_15: J15.16 R85.2 U31.3 U31.4
/FPGA_UNIT_B/GPIO_OUT_17: J16.2 R87.2 U21.3 U21.4
/FPGA_UNIT_B/GPIO_OUT_18: J16.3 R88.2 U21.1 U21.6
/FPGA_UNIT_B/GPIO_OUT_19: J16.4 R89.2 U22.3 U22.4
/FPGA_UNIT_B/GPIO_OUT_20: J16.5 R90.2 U22.1 U22.6
/FPGA_UNIT_B/GPIO_OUT_21: J16.6 R91.2 U23.3 U23.4
/FPGA_UNIT_B/GPIO_OUT_22: J16.7 R92.2 U23.1 U23.6
/FPGA_UNIT_B/GPIO_OUT_23: J16.8 R93.2 U32.3 U32.4
/FPGA_UNIT_B/GPIO_OUT_24: J16.9 R94.2 U32.1 U32.6
/FPGA_UNIT_B/GPIO_OUT_25: J16.10 R95.2 U33.3 U33.4
/FPGA_UNIT_B/GPIO_OUT_26: J16.11 R96.2 U33.1 U33.6
/FPGA_UNIT_B/GPIO_OUT_27: J16.12 R97.2 U34.3 U34.4
/FPGA_UNIT_B/GPIO_OUT_28: J16.13 R98.2 U34.1 U34.6
/FPGA_UNIT_B/GPIO_OUT_29: J16.14 R99.2 U35.3 U35.4
/FPGA_UNIT_B/GPIO_OUT_30: J16.15 R100.2 U35.1 U35.6
/FPGA_UNIT_B/GPIO_OUT_31: J16.16 R101.2 U36.3 U36.4
/FPGA_UNIT_B/Green: J7.2 R48.2 R49.2 R50.2 R56.1 U37.1 U37.6
/FPGA_UNIT_B/HSYNC: J7.13 U19.P10 U39.1 U39.6
/FPGA_UNIT_B/Red: J7.1 R57.2 R58.2 R61.2 R65.1 U37.3 U37.4
/FPGA_UNIT_B/VSYNC: J7.14 U19.N14 U39.3 U39.4
/NorthBridge/EN: C1.1 R1.2 S1.1 S1.2 U14.3
/NorthBridge/HSPI_CLK: J1.6 J2.5 U1.6 U14.13
/NorthBridge/HSPI_CS_FL: U1.1 U14.12
/NorthBridge/HSPI_CS_PS: J1.1 U14.23
/NorthBridge/HSPI_CS_SD: J2.2 U14.11
/NorthBridge/HSPI_MISO: J1.2 J2.7 U1.2 U14.14
/NorthBridge/HSPI_MOSI: J1.5 J2.3 U1.5 U14.16
/NorthBridge/Rst: C59.1 S2.1 S2.2 U14.25
/Power/CC1: J4.A5 R4.1
/Power/CC2: J4.B5 U3.14
/Power/ICFB: R55.2 R64.1 U3.5
/Power/VFB: R46.2 R47.1 U3.1 U3.2
/SouthBridge/BCLK: IC2.2 R10.1
/SouthBridge/COM: IC2.19 IC2.22 J9.1
/SouthBridge/DIN: IC2.5 U15.7
/SouthBridge/EN: C2.1 R20.2 S4.1 S4.2 U15.3
/SouthBridge/FSYNC: IC2.3 U15.9
/SouthBridge/GPO: IC2.11
/SouthBridge/OUTP1: C68.2 IC2.20
/SouthBridge/OUTP2: C67.2 IC2.21
/SouthBridge/Rst: C57.1 S3.1 S3.2 U15.25
/USB_HUB/CFG_SEL0: R16.1 U11.24
/USB_HUB/CFG_SEL1: R15.1 U11.25
/USB_HUB/CRFILT: C50.1 C52.1 U11.14
/USB_HUB/NON_REM0: R14.1 U11.28
/USB_HUB/NON_REM1: R13.1 U11.22
/USB_HUB/OCS_N1: U9.3 U11.13
/USB_HUB/OCS_N2: U10.3 U11.17
/USB_HUB/PLLFILT: C54.1 C56.1 U11.34
/USB_HUB/PRTPWR1: U9.4 U11.12
/USB_HUB/PRTPWR2: U10.4 U11.16
/USB_HUB/RBIAS: R12.1 U11.35
/USB_HUB/USB1_N: J5.2 U7.3 U7.4 U11.1
/USB_HUB/USB1_P: J5.3 U7.1 U7.6 U11.2
/USB_HUB/USB2_N: J6.2 U8.3 U8.4 U11.3
/USB_HUB/USB2_P: J6.3 U8.1 U8.6 U11.4
/USB_HUB/USB_HUB_DN: U11.30 U17.5
/USB_HUB/USB_HUB_DP: U11.31 U17.4
/USB_HUB/XTALIN: C44.2 U11.33 X1.1
/USB_HUB/XTALOUT: C45.1 U11.32 X1.3
/USB_IN/DN: U12.59 U13.4
/USB_IN/DP: U12.58 U13.6
/USB_IN/ESD_N: R82.2 U13.3
/USB_IN/ESD_P: R102.2 U13.1
/USB_IN/JTAG_TCK: J14.6 SW1.7
/USB_IN/JTAG_TDI: J14.10 SW1.5
/USB_IN/JTAG_TDO: J14.8 SW1.6
/USB_IN/JTAG_TMS: J14.4 SW1.8
/USB_IN/USB_N: J3.A7 R82.1
/USB_IN/USB_P: J3.A6 R102.1
/USB_IN/USB_TCK: SW1.4 U12.6
/USB_IN/USB_TDI: SW1.3 U12.7
/USB_IN/USB_TDO: SW1.2 U12.11
/USB_IN/USB_TMS: SW1.1 U12.12
/USB_IN/VCORE: C3.1 C109.1 C110.1 C111.1 C112.1 U12.8 U12.25 U12.31 U12.44 U12.66
/USB_IN/XTALIN: C40.2 R22.1 U12.27 X2.1
/USB_IN/XTALOUT: C41.1 R22.2 U12.28 X2.3
B0: R28.1 U19.M11
B1: R35.1 U19.M10
B2: R36.1 U19.N10
FPGA_TCK: SW1.10 SW1.13 TP3.1 U19.A7
FPGA_TDI: SW1.12 SW1.14 TP5.1 U19.P7
FPGA_TDO: SW1.11 SW1.15 TP4.1 U19.P6
FPGA_TMS: SW1.9 SW1.16 TP6.1 U19.M6
G0: R50.1 U19.M14
G1: R49.1 U19.M13
G2: R48.1 U19.M12
GPIO_0: R70.1 U15.37
GPIO_1: R71.1 U15.33
GPIO_2: R72.1 U15.14
GPIO_3: R73.1 U15.10
GPIO_4: R74.1 U14.37
GPIO_5: R75.1 U14.8
GPIO_6: R76.1 U14.10
GPIO_17: R87.1 U15.36
GPIO_18: R88.1 U15.16
GPIO_19: R89.1 U15.13
GPIO_20: R90.1 U15.6
GPIO_21: R91.1 U14.36
GPIO_22: R92.1 U14.9
NBRXD: TP2.1 U12.34 U14.34
NBSB_RX: R30.1 U14.7
NBSB_TX: U14.6 U15.11
NBTXD: TP1.1 U12.35 U14.35
R0: R61.1 U19.L13
R1: R58.1 U19.L14
R2: R57.1 U19.L12
SB_USB_CTS/: U15.29 U17.23
SB_USB_RTS/: U15.28 U17.24
SB_USB_RXD: U15.27 U17.25
SB_USB_TXD: U15.26 U17.26
SB_USB_UART_SUSPEND: U15.30 U17.12
SB_USB_UART_SUSPEND/: U15.31 U17.11
SBRXD: TP8.1 U12.45 U15.34
SBTXD: TP7.1 U12.46 U15.35
VSPI_CLK: U14.29 U19.M2
VSPI_CS: U14.30 U19.M5
VSPI_D0: U14.28 U19.M3
VSPI_D1: U14.31 U19.M1
VSPI_D2: U14.33 U19.N1
VSPI_D3: U14.27 U19.M4
Net-(C30-Pad1): C30.1 R54.2
Net-(C33-Pad2): C33.2 R62.2 R63.2
Net-(C67-+): C67.1 J9.5
Net-(C68-+): C68.1 J9.2
Net-(D1-A): D1.2 R25.2
Net-(D1-K): D1.1 U12.67
Net-(D2-A): D2.2 R24.2
Net-(D2-K): D2.1 U12.43
Net-(D3-A): D3.2 R31.2
Net-(D4-A): D4.2 R33.2
Net-(IC2-DREG): C63.1 C64.1 IC2.1
Net-(IC2-MD1): IC2.7 R7.2
Net-(IC2-MD2): IC2.8 R8.2
Net-(IC2-MD4): IC2.10 R5.2
Net-(IC2-MD5): IC2.12 R6.2
Net-(IC2-MD6): IC2.4 R9.2
Net-(IC2-VREF): C62.1 IC2.24
Net-(J16-Pad1): J16.1 R86.2
Net-(L4-Pad2): L4.2 U18.1 U18.2 U18.3
Net-(Q1-G1): C24.2 Q1.2 Q1.4 R44.1 R45.2 U16.2
Net-(Q1-S1): C25.2 Q1.1 Q1.3 R45.1 U16.1
Net-(S1-COM_1): R2.2 S1.3 S1.4
Net-(S2-COM_1): R3.1 S2.3 S2.4
Net-(S3-COM_1): R17.2 S3.3 S3.4
Net-(S4-COM_1): R19.2 S4.3 S4.4
Net-(S6-NO_1): R40.2 S6.1
Net-(S6-NO_2): S6.2 U19.L7
Net-(U3-CC1): R4.2 U3.15
Net-(U3-FLIP): R43.2 U3.10
Net-(U3-VBUS_FET_EN): R44.2 U3.3
Net-(U3-VCCD): C20.1 U3.24
Net-(U4-BST): C27.1 U4.6
Net-(U4-SW): C27.2 L1.2 U4.5
Net-(U5-BST): R54.1 U5.8
Net-(U5-EN): R51.1 U5.12
Net-(U5-FB): R52.2 R53.1 R63.1 U5.11
Net-(U5-MODE): C32.1 R59.1 U5.6 U5.9
Net-(U5-PG): R59.2 U5.3
Net-(U5-SW): C30.2 L3.1 R62.1 U5.7
Net-(U6-SW): U6.9 U40.1
Net-(U12-EECLK): R104.2 U12.1 U20.4
Net-(U12-EECS): R105.2 U12.68 U20.5
Net-(U12-EEDATA): R18.1 R103.2 U12.2 U20.3
Net-(U12-REF): R21.1 U12.60
Net-(U12-~{RESET}): R23.1 U12.4
Net-(U15-IO27): R30.2 U15.12
Net-(U15-IO32): R10.2 U15.8
Net-(U17-*RST): R11.1 U17.9
Net-(U18-PG): R60.2 U18.4
Net-(U19B-CFGBVS_0): R39.1 U19.N7
Net-(U19B-DONE_0): R32.2 R33.1 U19.P9
Net-(U19B-INIT_B_0): R29.2 R31.1 U19.P8
Net-(U19B-IO_L3P_T0_DQS_PUDC_B_14): R26.2 R66.1 U19.B10
Net-(U19B-M0_0): R38.1 U19.M7
Net-(U19B-M1_0): R37.1 U19.M8
Net-(U19B-M2_0): R34.1 U19.M9
Net-(U20-DO): R18.2 U20.1
